# Altium PCB PCB1.PcbDoc (part 1 of 2) (continued)
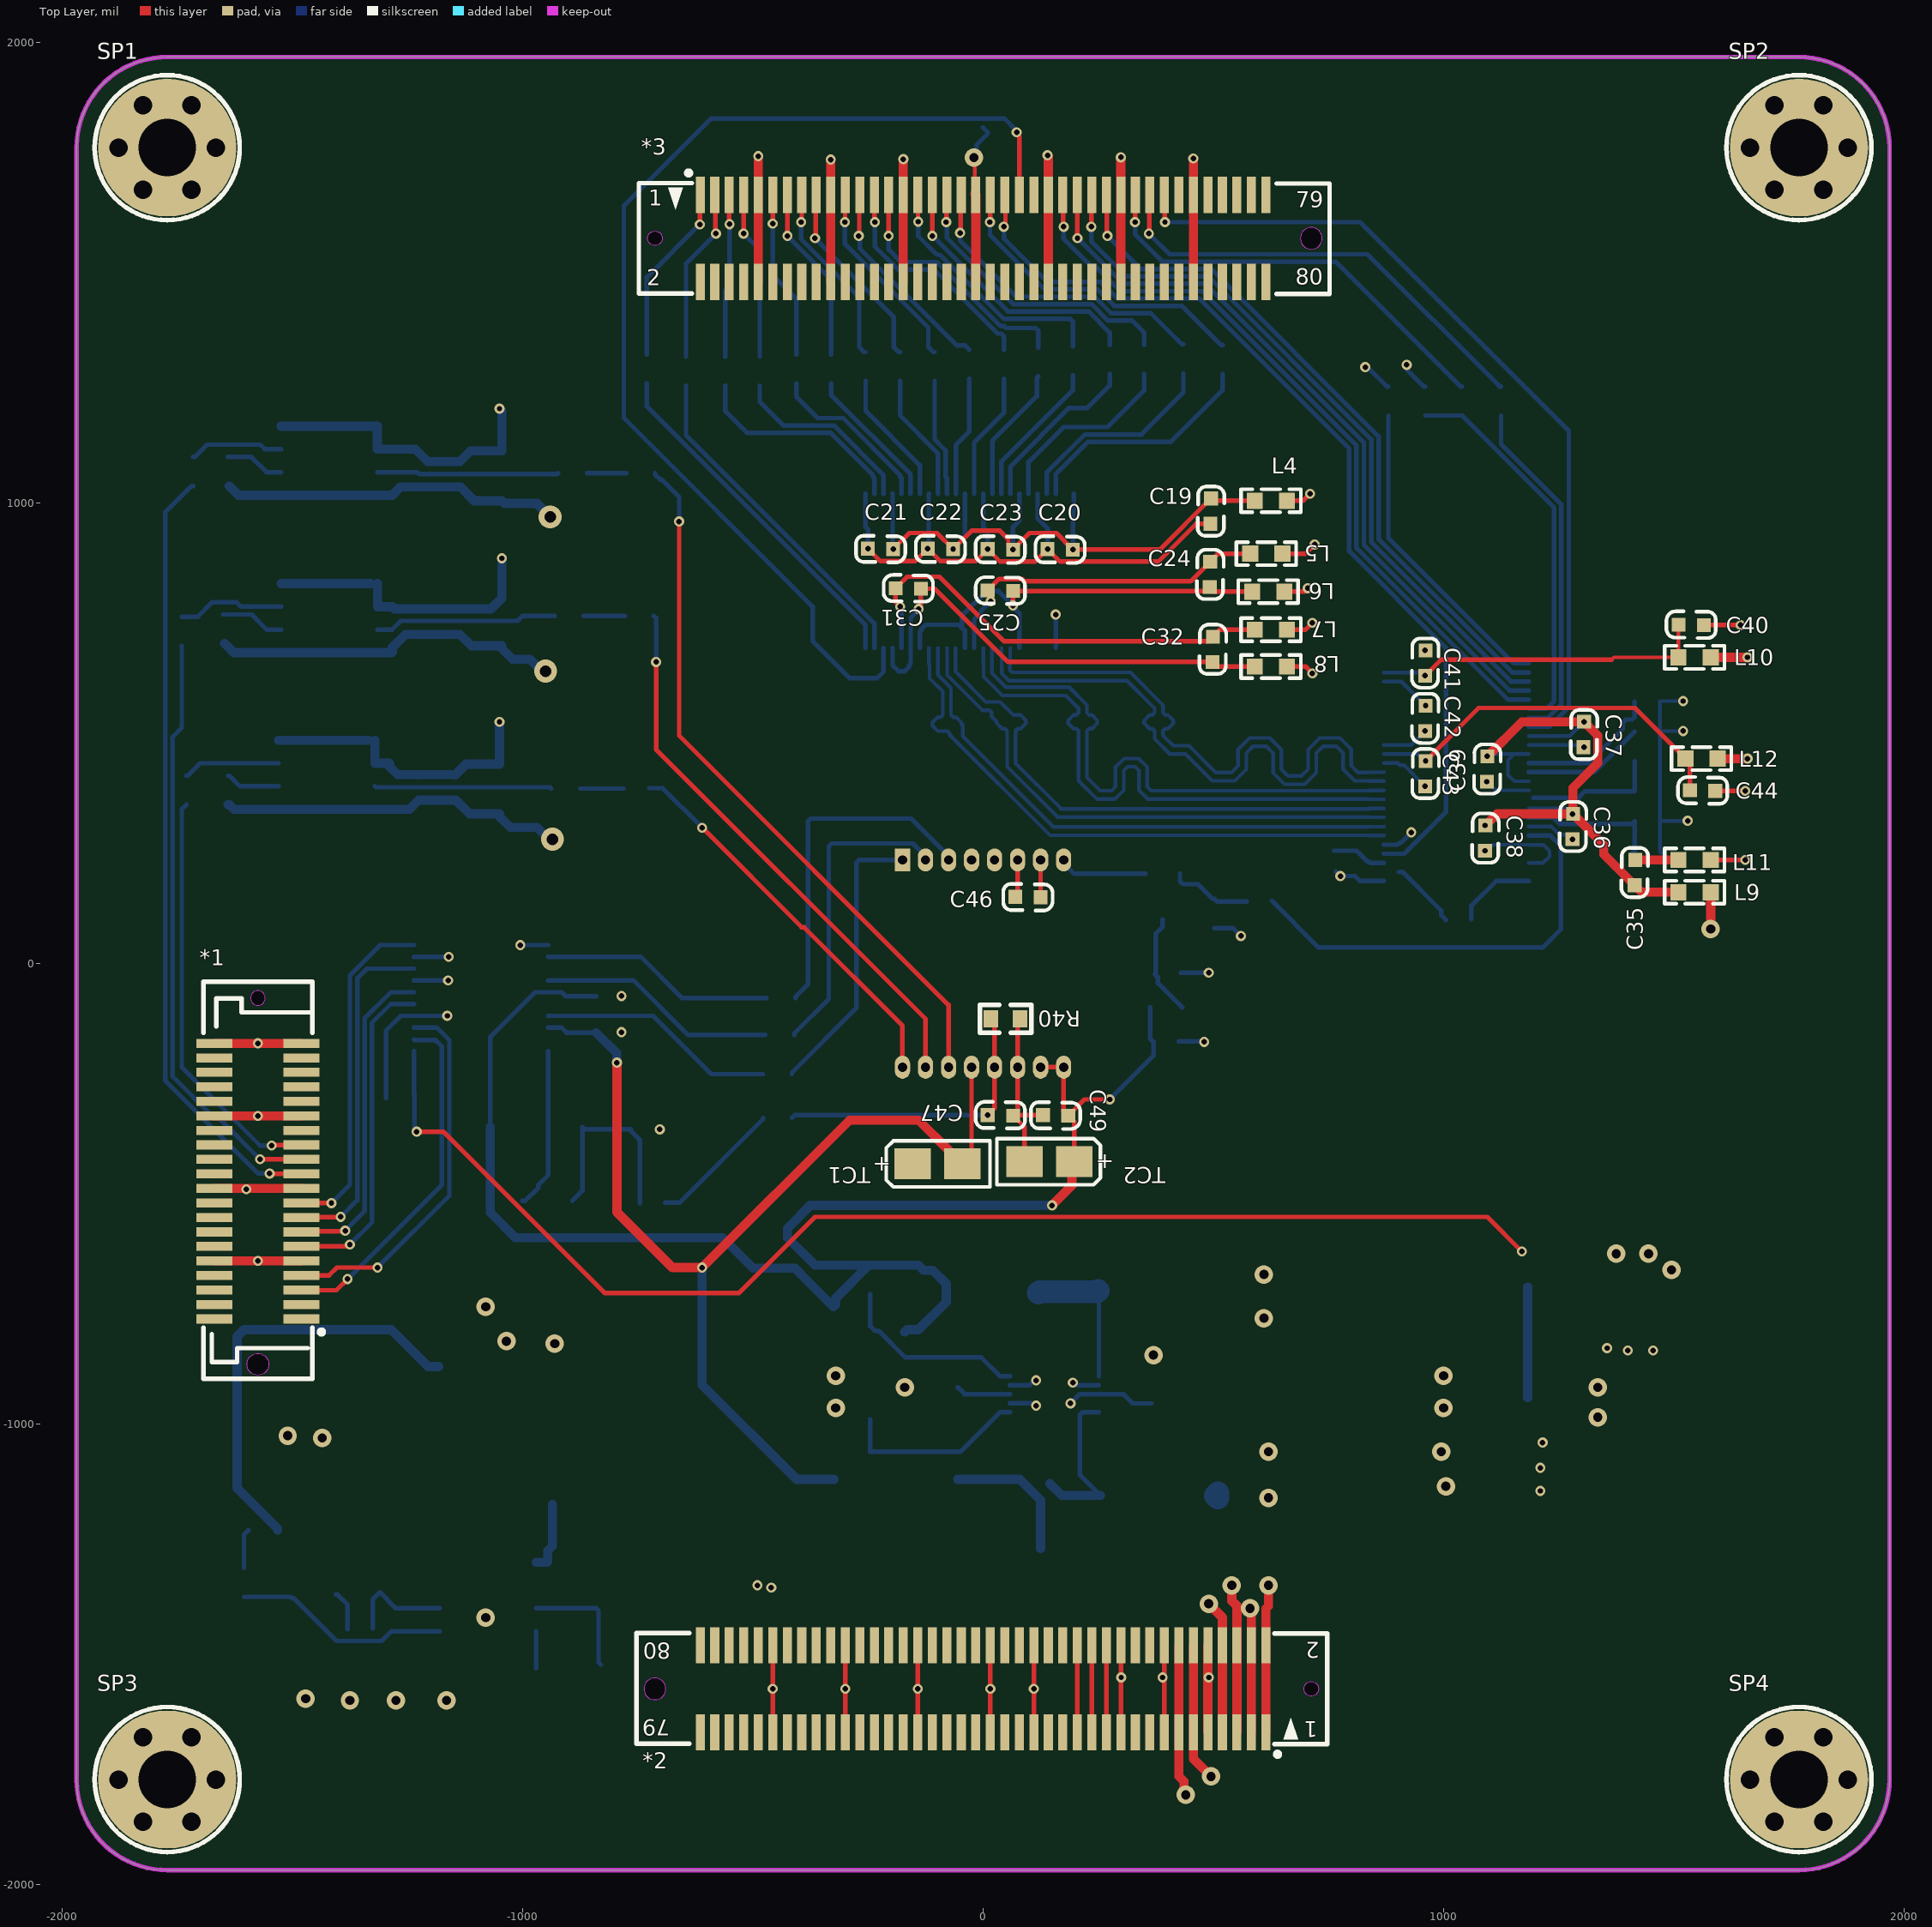
[diagram p0: Top Layer view]
## Footprints (in the part's own frame and the unit in brackets; to place one, negate y for a bottom-side part, rotate by r counter-clockwise, add the part's x,y. Pads: shape width x height; smd on the part's side, far side on the other; paste and mask are expansions set on the pad) (continued)
  silkscreen extent -2.06,-2.5 1.27,3.2, body extent -3,-2.5 3,2.5, height 1.9
SOT23-3 [mm]
  rect 0.6x1.4 smd: 1(0,0) 2(1.9,0) 3(0.95,2.514)
  silkscreen extent -0.55,1.07 2.45,1.97, body extent -0.59,-0.11 2.41,2.29, height 1.05
SOT223_L [mm] "6.4x7x1.6mm(长宽高)"
  rect 0.75x1.7 smd: 1(-2.3,-3.048) 2(0,-3.048) 3(2.3,-3.048)
  rect 3.1x1.7 smd: 2(0,3.048)
  silkscreen extent -3.5,-3.88 3.25,1.75, body extent -3.25,-3.51 3.25,3.51, height 1.65
TAJ-A/3216 [mm]
  rect 2x1.7 smd: 1(0.047,0) 2(2.794,0)
  silkscreen extent -1.4,-1.27 4.32,1.27, body extent -0.2,-0.8 3,0.8, height 1.6
TSSOP-48 [mm] "12.50×6.10×0.95 e=0.50 封装库来自淘宝卖家 ID：黄晶宝石"
  rect 2x0.279 smd: 1(0,0)
  oval 2x0.279 smd: 2(0,-0.5) 3(0,-1) 4(0,-1.5) 5(0,-2) 6(0,-2.5) 7(0,-3) 8(0,-3.5) 9(0,-4) 10(0,-4.5) 11(0,-5) 12(0,-5.5) 13(0,-6) 14(0,-6.52) 15(0,-7) 16(0,-7.5) 17(0,-8) 18(0,-8.5) 19(0,-9) 20(0,-9.5) 21(0,-10) 22(0,-10.5) 23(0,-11) 24(0,-11.5) 25(8.5,-11.5) 26(8.5,-11) 27(8.5,-10.5) 28(8.5,-10) 29(8.5,-9.5) 30(8.5,-9) 31(8.5,-8.5) 32(8.5,-8) 33(8.5,-7.5) 34(8.5,-7) 35(8.5,-6.5) 36(8.5,-6) 37(8.5,-5.5) 38(8.5,-5) 39(8.5,-4.5) 40(8.5,-4) 41(8.5,-3.5) 42(8.5,-3) 43(8.5,-2.5) 44(8.5,-2) 45(8.5,-1.5) 46(8.5,-1) 47(8.5,-0.5) 48(8.5,0)
  silkscreen extent 1.5,-12 7.08,0.5, body extent 0.09,-11.96 8.29,0.54, height 1.1
TSSOP-56 [mil]
  rect 70x10 smd: 1(0,0)
  oval 70x10 smd: 2(0,-19.68) 3(0,-39.37) 4(0,-59.05) 5(0,-78.74) 6(0,-98.43) 7(0,-118.11) 8(0,-137.8) 9(0,-157.48) 10(0,-177.16) 11(0,-196.85) 12(0,-216.53) 13(0,-236.22) 14(0,-255.9) 15(0,-275.59) 16(0,-295.27) 17(0,-314.96) 18(0,-334.64) 19(0,-354.33) 20(0,-374.01) 21(0,-393.7) 22(0,-413.38) 23(0,-433.07) 24(0,-452.76) 25(0,-472.44) 26(0,-492.12) 27(0,-511.81) 28(0,-531.49) 29(314.96,-531.49) 30(314.96,-511.81) 31(314.96,-492.13) 32(314.96,-472.44) 33(314.96,-452.76) 34(314.96,-433.07) 35(314.96,-413.38) 36(314.96,-393.7) 37(314.96,-374.01) 38(314.96,-354.33) 39(314.96,-334.64) 40(314.96,-314.96) 41(314.96,-295.27) 42(314.96,-275.59) 43(314.96,-255.9) 44(314.96,-236.22) 45(314.96,-216.53) 46(314.96,-196.85) 47(314.96,-177.16) 48(314.96,-157.48) 49(314.96,-137.8) 50(314.96,-118.11) 51(314.96,-98.43) 52(314.96,-78.74) 53(314.96,-59.05) 54(314.96,-39.37) 55(314.96,-19.68) 56(314.96,0)
  silkscreen extent 49,-551 266,20, body extent -5,-542 316,12, height 45

## Part data
1 C1 C2 C3 C4 C5 C6 C7 C8 C9 C10 C11 C12 C13 C14 C15 C16 C17 C18 C19 C20 C21 C22 C23 C24 C25 C26 C27 C28 C29 C30 C31 C32 C33 C34 C35 C36 C37 C38 C39 C40 C41 C42 C43 C44 C45 C46 C47 C48 C49 C50 C51 C52 C53 C54 C55 C56 C57 C58 C59 C60: library part CAP, "无极性电容"
*4: "双通道升降压DCDC"
*5: "降压型DC-DC"
*7: "6通道垂直时钟驱动器"
D1 D2 D3 D4: library part DIODE, "普通二极管"
D5: "普通二极管"
EC1: library part ECAP, "贴片电解电容"
L1 L2 L3: library part L, "INDUCTOR"
L4 L5 L6 L7 L8 L9 L10 L11 L12 L13: library part FB, "铁氧体磁珠", Current Rating=200mA, DC Resistance=450mΩ, Impedance @ Frequency=600Ω@100MHz, JLCPCB Part Class="Basic Part", LCSC Part Name="600Ω@100MHz ±25%", Manufacturer=Sunlord(顺络), Tolerance=±25%, Add into BOM=yes, Circuits=1, Convert to PCB=yes, Datasheet=https://atta.szlcsc.com/upload/public/pdf/source/20210830/355EA7C0FAC5394FC0FE3F17C770C20A.pdf, Device=GZ1608D601TF, Manufacturer Part=GZ1608D601TF, Name=GZ1608D601TF, Supplier=LCSC, Supplier Footprint=0603, Supplier Part=C1002, Symbol=GZ1608D601TF
Q1: "NPN三极管"
R1 R2 R3 R4 R5 R6 R7 R8 R9 R10 R11 R12 R13 R14 R15 R16 R17 R18 R19 R20 R21 R22 R23 R24 R25 R26 R27 R28 R29 R30 R31 R32 R33 R34 R35 R36 R37 R40 R41 R42 R43 R44 R45 R46 R47 R48 R49 R50 R51 R52 R53 R54 R55 R56 R57: library part RES, "电阻"
SP1 SP2 SP3 SP4: library part 铜柱大焊盘, "铜柱", BOM名称=铜柱, 学习资源=https://shop463601444.taobao.com, 版权归属="封装库来自淘宝 ID：黄晶宝石"
TC1 TC2 TC3 TC4 TC5 TC6: library part TCAP, "钽电容"
U1: "解串芯片", JLCPCB Part Class="Extended Part", Manufacturer=TI(德州仪器), Add into BOM=yes, Convert to PCB=yes, Device=DS90CR218AMTDX/NOPB, LCSC Part Name=DS90CR218AMTDX/NOPB, Manufacturer Part=DS90CR218AMTDX/NOPB, Name=DS90CR218AMTDX/NOPB, Supplier=LCSC, Supplier Footprint=TSSOP-48, Supplier Part=C2674207, Symbol=DS90CR218AMTDX/NOPB
U2: "CCD专用ADC", JLCPCB Part Class="Extended Part", Manufacturer=TI(德州仪器), Add into BOM=yes, Convert to PCB=yes, Device=LM98725CCMTX/NOPB, LCSC Part Name=LM98725CCMTX/NOPB, Manufacturer Part=LM98725CCMTX/NOPB, Name=LM98725CCMTX/NOPB, Supplier=LCSC, Supplier Footprint=TSSOP-56, Supplier Part=C2679405, Symbol=LM98725CCMTX/NOPB
U3 U4 U5: library part EL7156CSZ-T7, "栅极驱动器", JLCPCB Part Class="Extended Part", Manufacturer=Intersil(英特矽尔), Add into BOM=yes, Convert to PCB=yes, Datasheet=https://atta.szlcsc.com/upload/public/pdf/source/20190409/C382008_2839965C4C72C039364B6D8C7260FFBC.pdf, Device=EL7156CSZ-T7_C382008, LCSC Part Name=EL7156CSZ-T7, Manufacturer Part=EL7156CSZ-T7, Name=EL7156CSZ-T7, Supplier=LCSC, Supplier Footprint=SOIC-8, Supplier Part=C382008, Symbol=EL7156CSZ-T7
V1: library part AMS1117, "LDO", BOM名称=稳压芯片, 封装库来自淘宝卖家：黄晶宝石=其他店铺购入的买家，请立即申请退款，本店现金奖励200~1000元

## Via types
v1: diameter 22, hole 12, Top Layer to Bottom Layer, 132 vias
v2: diameter 40, hole 20, Top Layer to Bottom Layer, 35 vias
v3: diameter 50, hole 25, Top Layer to Bottom Layer, 3 vias

## Nets (pads, with @x,y where several pads share a name; then routed paths per layer and width w, separated by ;. In a path a pad name is that pad's centre, name@x,y a point inside that pad or via, vN(x,y) a via of type N, cw(c..) or ccw(c..) an arc to the next point about the centre after c; other vN are vias at no path point)
3v3: *7.1 C6.2 C7.2 C56.2 L4.1 L5.1 L7.1 L9.1 L10.1 L12.1 V1.2 | length 3481.3
  Top Layer w10: v1(-1230,-365) -1171.95,-365 -821.95,-715 -530,-715 -365,-550 1095,-550 v1(1170,-625) ; L5.1@650,890 700,890 v1(720,910) ; L7.1@660,725 700,725 v1(715,740) ; L4.1@660,1005 695,1005 v1(710,1020)
  Top Layer w20: v2(1580,75) L9.1@1580,155 ; L10.1@1580,665 v1(1660,665) ; L12.1@1595,445 v1(1660,445)
  Bottom Layer w10: C56.2@-1235.67,-283.33 *7.1@-1235.67,-190.16 ; C56.2@-1235,-284 -1235,-360 v1(-1230,-365)
  Bottom Layer w20: V1.2@1182.8,-942.46 V1.2@1182.8,-702.46
  other v2: 1495,-665 1375,-630 1445,-630
3V3IN: *2.23 *2.24 *2.25 *2.26 | length 378
  Top Layer w10: *2.25@236.22,-1669.29 *2.26@236.22,-1480.31 ; *2.23@267.72,-1669.29 *2.24@267.72,-1480.31
15V: 1.2 *6.9 *6.10 *7.15 C9.2 C10.2 C49.2 C58.2 D3.K D5.A L13.2 R4.2 TC2.1 | length 3491.7
  Top Layer w10: *6.10@125,-225 *6.9@175,-225 175,-320 C49.2@185,-330 ; TC2.1@198.15,-430 198.15,-343.15 C49.2@185,-330 ; v1(275,-295) 220,-295 C49.2@185,-330
  Top Layer w20: v1(150,-525) 150,-524.46 192.71,-481.75 192.71,-435.44 TC2.1@198.15,-430
  Bottom Layer w10: D5.A@-1070,-355 -1070,-159.22 -972.99,-62.2 *7.15@-944.33,-62.2 -915.22,-62.2 -906.07,-71.35 C58.2@-840.21,-71.35 ; v1(275,-295) 370,-200 1.2@370,-170 362.5,-162.5 L13.2@362.5,-95
  Bottom Layer w20: D5.A@-1070,-355 -1070,-540.46 -1015.46,-595 -565.62,-595 -499.09,-661.53 -408.47,-661.53 -380,-690 -331.62,-738.38 C9.2@-325,-745 -320,-740 -320,-726.75 R4.2@-248.25,-655 ; C10.2@-170,-800 -165,-795 -140.31,-795 -80,-734.68 D3.K@-80,-715 -80,-695.32 -109.37,-665.95 -129.06,-665.95 -140,-655 R4.2@-245,-655 R4.2@-248.25,-655 ; v1(150,-525) -375,-525 -425,-575 -425,-595 -365,-655 R4.2@-248.25,-655
+5: C12.2 C51.1 C52.1 C54.1 C55.1 C59.1 C60.1 EC1.1 L3.2 R5.2 R48.1 R52.1 R55.1 TC3.1 TC5.1 TC6.1 U3.1 U3.8 U4.1 U4.8 U5.1 U5.8 | length 3199.8
  Bottom Layer w10: R48.1@-1650,695 R48.1@-1646.75,695 ; R55.1@-1640,1037.01 R55.1@-1636.75,1037.01
  Bottom Layer w20: R48.1@-1646.75,695 -1626.75,675 U3.1@-1523.98,675 U3.8@-1315,675 -1284.48,675 -1282.81,676.67 -1282.81,686.36 -1254.17,715 C51.1@-1210,715 C52.1@-1136,715 -1111,690 TC3.1@-1045,690 -1045,684.09 -1021.54,660.63 -983.75,660.63 -958.12,635 v3(-950,635) ; R52.1@-1640,345 -1636.75,345 -1626.75,335 U4.1@-1529.49,335 U4.8@-1320.51,335 -1245.57,335 C55.1@-1225.35,355.21 -1225.25,355.11 -1145.11,355.11 C54.1@-1145,355 -1115,325 TC5.1@-1050,325 -1050,319.09 -1026.54,295.63 -968.75,295.63 -943.12,270 v3(-935,270) ; R55.1@-1636.75,1037.01 -1616.75,1017.01 U5.1@-1524.49,1017.01 U5.8@-1315.51,1017.01 -1283.04,1017.01 -1265.04,1035 C60.1@-1205,1035 C59.1@-1135,1035 -1105,1005 TC6.1@-1045,1005 -1039.09,999.09 -969.09,999.09 v3(-940,970) ; R5.2@-1532.01,-1230 -1532.01,-1226.75 -1620,-1138.76 -1620,-810 -1605,-795 -1285.08,-795 -1205.08,-875 EC1.1@-1182.09,-875
  other v2: -930,-825 -1035,-820 -1080,-745
+5IN: *2.11 *2.12 *2.13 *2.14 C4.2 C5.2 V1.3 | length 631.4
  Top Layer w20: *2.14@425.2,-1480.31 *2.13@425.2,-1669.29 425.2,-1764.79 436.17,-1775.76 436.17,-1801.17 v2(440,-1805) ; *2.12@456.69,-1480.31 *2.11@456.69,-1669.29 456.84,-1669.44 456.84,-1726.84 v2(495,-1765)
  other v2: 1005,-1135 995,-1060 1000,-965 1000,-895
+12: *2.1 *2.2 *2.3 *2.4 *2.5 *2.6 *2.7 *2.8 *4.2 *4.4 *4.8 *5.2 C8.1 C13.2 C14.2 C15.2 L1.1 L2.1 R6.2 | length 1533.7
  Top Layer w20: v2(490,-1390) 519.69,-1419.69 *2.7@519.69,-1669.29 ; v2(540,-1350) 540.38,-1350.38 540.38,-1383.81 551.18,-1394.62 *2.6@551.18,-1480.31 *2.5@551.18,-1669.29 ; v2(580,-1400) 580,-1400.54 582.68,-1403.22 *2.3@582.68,-1669.29 ; *2.1@614.18,-1669.29 *2.2@614.18,-1480.31 614.18,-1401 620,-1395.18 v2(620,-1350)
  Bottom Layer w10: *4.2@58.54,-954.68 106.44,-954.68 111.75,-960 v1(115,-960) ; *4.4@58.54,-915.31 101.44,-915.31 111.75,-905 v1(115,-905) ; v1(190,-955) 210,-935 *4.8@251.46,-935 304.89,-935 324.89,-955 C8.1@366,-955
  Bottom Layer w50: L1.1@510,-1160 L1.1@505,-1155 L1.1@510,-1150
  other v1: -460,-1355 -490,-1350
  other v2: 620,-1160 620,-1060 610,-770 610,-675
-7V5: *6.13 *7.18 C2.1 C3.1 C57.2 D1.A R1.2 TC1.2 | length 2336.8
  Top Layer w10: TC1.2@-45,-435 -25,-415 *6.13@-25,-225
  Top Layer w20: v1(-795,-215) -795,-540 -675,-660 v1(-610,-660) -290,-340 -140,-340 -74.37,-405.63 -74.37,-411.54 -50.91,-435 TC1.2@-45,-435
  Bottom Layer w10: *7.18@-944.33,-138.98 -915.22,-138.98 -904.19,-150 C57.2@-840,-150
  Bottom Layer w20: C57.2@-840,-150 -795.38,-194.62 -795.38,-214.62 v1(-795,-215) ; v1(-610,-660) -610,-915 -405,-1120 C2.1@-324,-1120
ADC_CAL: *3.57 U2.5 | length 1528.2
  Top Layer w10: *3.57@267.72,1669.29 268.86,1668.15 268.86,1581.14 v1(270,1580)
  Bottom Layer w10: v1(270,1580) 341.82,1508.18 495.62,1508.18 859,1144.8 859,922.24 1149.08,632.17 U2.5@1184.96,632.17
ADC_IBIAS: C30.1 R37.2 U2.21 | length 309.5
  Bottom Layer w10: U2.21@1184.96,317.2 1237.8,317.2 1252,303 1409,303 C30.1@1415,309 1415,245 R37.2@1410,240
ADC_INCLK: *3.43 U2.32 | length 2084.4
  Top Layer w10: v1(45,1600) 48.62,1603.62 48.62,1667.91 *3.43@47.24,1669.29
  Bottom Layer w10: v1(45,1600) 45,1575 140,1480 255.51,1480 291.33,1444.18 469.11,1444.18 795,1118.29 795,895.73 1005,685.73 1005,328.89 914.58,238.46 U2.32@870,238.46
ADC_RST: *3.55 U2.6 | length 1577.7
  Top Layer w10: v1(235,1600) 235.61,1600.61 235.61,1668.68 *3.55@236.22,1669.29
  Bottom Layer w10: v1(235,1600) 235,1568.39 311.21,1492.18 488.99,1492.18 843,1138.17 843,915.62 1146.14,612.48 U2.6@1184.96,612.48
ADC_SCLK: *3.63 R26.1 | length 987.7
  Top Layer w10: v1(360,1585) 361.1,1586.1 361.1,1668.19 *3.63@362.21,1669.29
  Bottom Layer w10: v1(360,1585) 404.82,1540.18 834.56,1540.18 1121.75,1252.99 R26.1@1125,1252.99
ADC_SDI: *3.51 U2.8 | length 1651
  Top Layer w10: *3.51@173.23,1669.29 174.11,1668.41 174.11,1600.89 v1(175,1600)
  Bottom Layer w10: v1(175,1600) 175,1573.89 233,1515.89 242.25,1515.89 297.96,1460.18 475.74,1460.18 811,1124.92 811,902.36 1140.25,573.11 U2.8@1184.96,573.11
ADC_SDO: *3.61 R24.1 | length 932.8
  Top Layer w10: v1(330,1610) 330.35,1610.35 330.35,1668.94 *3.61@330.71,1669.29
  Bottom Layer w10: v1(330,1610) 330,1583.89 389.71,1524.18 765.56,1524.18 1036.75,1252.99 R24.1@1040,1252.99
ADC_SEN: *3.65 U2.11 | length 1829
  Top Layer w10: *3.65@393.7,1669.29 394.35,1668.64 394.35,1610.65 v1(395,1610)
  Bottom Layer w10: v1(395,1610) 818.29,1610 1272,1156.29 1272,556.75 1229.31,514.06 U2.11@1184.96,514.06
ADC_SH_R: *3.53 U2.7 | length 1611.6
  Top Layer w10: *3.53@204.73,1669.29 204.86,1669.15 204.86,1575.14 v1(205,1575)
  Bottom Layer w10: v1(205,1575) 205.76,1575 304.58,1476.18 482.37,1476.18 827,1131.55 827,908.99 1143.19,592.8 U2.7@1184.96,592.8
ADC_VA: C35.2 C36.2 C37.2 C38.2 C39.2 L9.2 U2.12 U2.14 U2.17 U2.20 | length 1446.3
  Top Layer w20: v1(1090,300) C38.2@1091,300 1116,325 v1(1280,325) 1281,326 1281,381.31 1335,435.31 1335,495 v1(1305,525) 1170,525 v1(1095,450) ; C36.2@1281,325 1348,258 1348,237 C35.2@1415,170 1430,155 L9.2@1510,155
  Bottom Layer w8: v1(1095,450) 1098.79,450 1103.79,455 U2.14@1184.96,455 1184.58,454.62 1153.05,454.62 1139.96,441.53 1139.96,409.42 1148.75,400.63 1149.73,400.63 1154.42,395.94 U2.17@1184.96,395.94 ; U2.20@1184.96,336.89 1264.32,336.89 1276.21,325 v1(1280,325) ; U2.12@1184.96,494.37 1274.37,494.37 v1(1305,525)
ADC_VC: C40.2 C41.2 C42.2 L10.2 U2.44 U2.52 | length 833.1
  Top Layer w8: 1365,660 1370,665 L10.2@1510,665 C40.2@1510,736
  Top Layer w10: v1(960,625) 995,660 1365,660
  Bottom Layer w8: U2.44@870,474.69 929.69,474.69 v1(960,505) ; U2.52@870,632.17 949.05,632.17 956.21,625 v1(960,625)
ADC_VCLP: C28.1 C29.1 U2.19 | length 290.7
  Bottom Layer w10: U2.19@1195,360.26 1293.13,360.26 1306.87,374 C28.1@1415,374 C29.1@1415,439
ADC_VD: C43.2 C44.2 L12.2 U2.43 | length 827.6
  Top Layer w10: v1(961,440) 1076,555 1415,555 L12.2@1525,445 1535,435 C44.2@1535,376
  Bottom Layer w8: U2.43@870,455 943.47,455 958.47,440 v1(961,440)
ADC_VREFB: C26.1 U2.15 | length 312.9
  Bottom Layer w10: U2.15@1184.96,435.31 1314.46,435.31 1389,509.86 1389,523.56 1395.44,530 1409.14,530 1415,535.86 C26.1@1415,569
ADC_VREFT: C27.1 U2.16 | length 266.6
  Bottom Layer w10: U2.16@1184.96,415.63 1326.63,415.63 C27.1@1415,504
AGND: 1.1 *6.5 *6.7 *6.11 *7.4 *7.7 *7.9 *7.11 C26.2 C27.2 C28.2 C29.2 C30.2 C35.1 C36.1 C37.1 C38.1 C39.1 C45.1 C46.2 C47.1 C49.1 C51.2 C52.2 C54.2 C55.2 C56.1 C57.1 C58.1 C59.2 C60.2 L11.2 R37.1 R40.1 R41.1 R51.1 TC1.1 TC2.2 TC3.2 TC5.2 TC6.2 U2.13 U2.18 U2.22 U2.24 U2.26 U3.4 U3.5 U3.6 U4.4 U4.5 U4.6 U5.4 U5.5 U5.6 | length 4197.1
  Top Layer w10: R40.1@80,-120 75,-125 *6.11@75,-225 75,-320 C47.1@66,-329 ; TC2.2@90,-430 90,-355 C47.1@65,-330 C47.1@66,-329 ; C46.2@125,144 *6.7@125,225 ; C49.1@130,-329 C47.1@66,-329
  Top Layer w20: C35.1@1416,225 L11.2@1510,225
  Bottom Layer w8: v1(1090,245) 1093.79,245 1106.94,258.15 U2.24@1184.96,258.15 1185.34,257.77 1216.87,257.77 1229.96,244.68 1229.96,232.25 1221.18,223.46 1220.19,223.46 1215.5,218.78 U2.26@1184.96,218.78 ; v1(1094,395) 1112.74,376.26 U2.18@1184.96,376.26 U2.18@1184.58,375.88 ; U2.22@1184.96,297.52 1233.69,297.52 1251.21,280 1268.31,280 1278.31,270 v1(1280,270) ; U2.13@1184.96,474.69 1296.53,474.69 1301.21,470 v1(1305,470) ; R37.1@1472.99,240 1470,242.99 C30.2@1470,310 ; v1(1520,505) C27.2@1470,505 ; v1(1520,570) C26.2@1470,570 C27.2@1470,505 ; v1(1530,310) C30.2@1470,310 ; C30.2@1470,310 C28.2@1470,375 C29.2@1470,440 C27.2@1470,505
  Bottom Layer w10: U4.5@-1335,485 U4.5@-1320.51,485 ; U3.5@-1330,825 U3.5@-1315,825 ; C56.1@-1296.52,-291.52 -1296.52,-145.58 -1264.33,-113.39 *7.4@-1235.67,-113.39 v1(-1163.39,-113.39) ; *7.7@-1235.67,-36.61 v1(-1161.61,-36.61) ; *7.9@-1235.67,14.57 v1(-1160.43,14.57) ; C55.2@-1226.35,410.21 C55.2@-1226.14,410 ; v1(-1004.84,40.16) *7.11@-944.33,40.16 ; 1.1@425,-169 479,-169 v1(480,-170) ; C45.1@430,-20 v1(490,-20) ; R41.1@502.5,77.01 542.99,77.01 v1(560,60)
  Bottom Layer w20: U4.4@-1529.49,485 U4.5@-1335,485 ; U5.4@-1524.49,1167.01 U5.5@-1315.51,1167.01 U5.6@-1315.51,1117.01 -1233.01,1117.01 C60.2@-1206,1090 C59.2@-1136,1090 -1112.85,1113.15 TC6.2@-1045,1113.15 -1045,1200 v1(-1050,1205) ; U3.4@-1523.98,825 U3.5@-1330,825 ; U4.5@-1320.51,485 U4.6@-1320.51,435 -1290,435 -1288.32,433.33 -1288.32,427.18 -1271.35,410.21 C55.2@-1226.35,410.21 ; U3.5@-1315,825 U3.6@-1315,775 -1282.52,775 -1277.52,770 C51.2@-1211,770 C52.2@-1137,770 -1068.46,770 -1045,793.46 TC3.2@-1045,798.15 v1(-1045,880) ; C55.2@-1226.14,410 -1226.04,410.11 -1146.11,410.11 C54.2@-1146,410 -1122.85,433.15 TC5.2@-1050,433.15 v1(-1050,525)
  other v1: -702.01,-360 -785,-149 -785.21,-70.35
B13_L8_N: *3.35 R33.2 | length 635.3
  Top Layer w10: v1(-80,1610) -79.37,1610.63 -79.37,1668.66 *3.35@-78.74,1669.29
  Bottom Layer w10: v1(-80,1610) -78.67,1608.67 -78.67,1576.04 65.37,1432 235.63,1432 271.45,1396.18 323.82,1396.18 350,1370 R33.2@350,1342.99
B13_L8_P: *3.37 R34.2 | length 678.6
  Top Layer w10: v1(-50,1586.44) -48.62,1587.82 -48.62,1667.91 *3.37@-47.24,1669.29
  Bottom Layer w10: v1(-50,1586.44) -49.84,1586.28 -49.84,1569.84 72,1448 242.25,1448 278.07,1412.18 364.57,1412.18 431.75,1345 R34.2@435,1345
B13_L9_N: *3.31 R30.2 | length 556.8
  Top Layer w10: *3.31@-141.73,1669.29 -141.3,1668.86 -141.3,1611.3 v1(-140.87,1610.87)
  Bottom Layer w10: v1(-140.87,1610.87) -140.87,1579.75 -100.46,1539.34 -94.09,1539.34 45.25,1400 189.14,1400 195,1394.14 R30.2@195,1340
B13_L9_P: *3.33 R31.2 | length 588.4
  Top Layer w10: *3.33@-110.24,1669.29 -110.12,1669.17 -110.12,1580.12 v1(-110,1580)
  Bottom Layer w10: v1(-110,1580) 54,1416 229,1416 275,1370 R31.2@275,1342.99
B13_L10_N: *3.27 R29.2 | length 553.4
  Top Layer w10: v1(-205,1580) -204.86,1580.14 -204.86,1669.15 *3.27@-204.73,1669.29
  Bottom Layer w10: v1(-205,1580) -205,1550 -178.34,1523.34 -100.72,1523.34 38.63,1384 45.77,1384 49.77,1380 114.14,1380 120,1374.14 R29.2@120,1337.99
B13_L10_P: *3.25 R28.2 | length 502.4
  Top Layer w10: *3.25@-236.22,1669.29 -235.61,1668.68 -235.61,1610.61 v1(-235,1610)
  Bottom Layer w10: v1(-235,1610) -235,1557.37 -184.97,1507.34 -107.34,1507.34 32,1368 39.14,1368 45,1362.14 R28.2@45,1332.99
B13_L11_N: *3.23 R25.2 | length 447.2
  Top Layer w10: v1(-270,1580) -268.86,1581.14 -268.86,1668.15 *3.23@-267.72,1669.29
  Bottom Layer w10: v1(-270,1580) -267.7,1577.7 -267.7,1552.7 -56.97,1341.97 -38.98,1341.97 R25.2@-30,1332.99
B13_L11_P: *3.21 R23.2 | length 424.3
  Top Layer w10: v1(-300,1610) -299.61,1610.39 -299.61,1668.9 *3.21@-299.21,1669.29
  Bottom Layer w10: v1(-300,1610) -300,1562.37 -119,1381.37 -119,1338.74 -108.25,1327.99 R23.2@-105,1327.99
B13_L12_N: *3.17 R21.2 | length 421
  Top Layer w10: v1(-365,1575) -363.6,1576.4 -363.6,1667.9 *3.17@-362.21,1669.29
  Bottom Layer w10: v1(-365,1575) -194,1404 -194,1338.74 -183.25,1327.99 R21.2@-180,1327.99
B13_L12_P: *3.15 R20.2 | length 401.7
  Top Layer w10: v1(-395,1610) -393.7,1611.3 *3.15@-393.7,1669.29
  Bottom Layer w10: v1(-395,1610) -395,1572.63 -269,1446.62 -269,1338.74 -258.25,1327.99 R20.2@-255,1327.99
B13_L13_N: *3.13 R18.2 | length 385.7
  Top Layer w10: *3.13@-425.2,1669.29 -425.1,1669.19 -425.1,1580.1 v1(-425,1580)
  Bottom Layer w10: v1(-425,1580) -330,1485 R18.2@-330,1322.99
B13_L13_P: *3.11 R17.2 | length 370.1
  Top Layer w10: *3.11@-456.69,1669.29 v1(-456.69,1606.69) v1@-455,1605
  Bottom Layer w10: v1(-456.69,1606.69) -456.69,1494.44 -405,1442.75 R17.2@-405,1322.99
B13_L15_N: *3.7 R14.2 | length 365.9
  Top Layer w10: v1(-520,1585) -519.84,1585.16 -519.84,1669.14 *3.7@-519.69,1669.29
  Bottom Layer w10: v1(-520,1585) -485,1550 R14.2@-485,1317.99
B13_L15_P: *3.5 R13.2 | length 356.3
  Top Layer w10: *3.5@-551.18,1669.29 -551.18,1606.18 v1(-550.59,1605.59) v1@-550,1605
  Bottom Layer w10: R13.2@-560,1317.99 -560,1460.84 -550.59,1470.25 v1(-550.59,1605.59)
B13_L16_N: *3.3 R36.2 | length 379.3
  Top Layer w10: *3.3@-582.68,1669.29 -581.34,1667.95 -581.34,1586.34 v1(-580,1585)
  Bottom Layer w10: R36.2@-645,1317.99 -645,1520 v1(-580,1585)
B13_L16_P: *3.1 R12.2 | length 394.3
  Top Layer w10: v1(-615,1605) -614.59,1605.41 -614.59,1668.88 *3.1@-614.18,1669.29
  Bottom Layer w10: R12.2@-730,1322.99 -730,1490 v1(-615,1605)
B14_L11_N: *3.41 R35.2 | length 691.4
  Top Layer w10: v1(15,1610) 15.75,1610.75 *3.41@15.75,1669.29
  Bottom Layer w10: v1(15,1610) 15,1582.37 133.37,1464 248.88,1464 284.7,1428.18 431.56,1428.18 516.75,1342.99 R35.2@520,1342.99